# Altium PCB AIRZAI BASE BOARD REV C.PcbDoc (part 1 of 2) (continued)
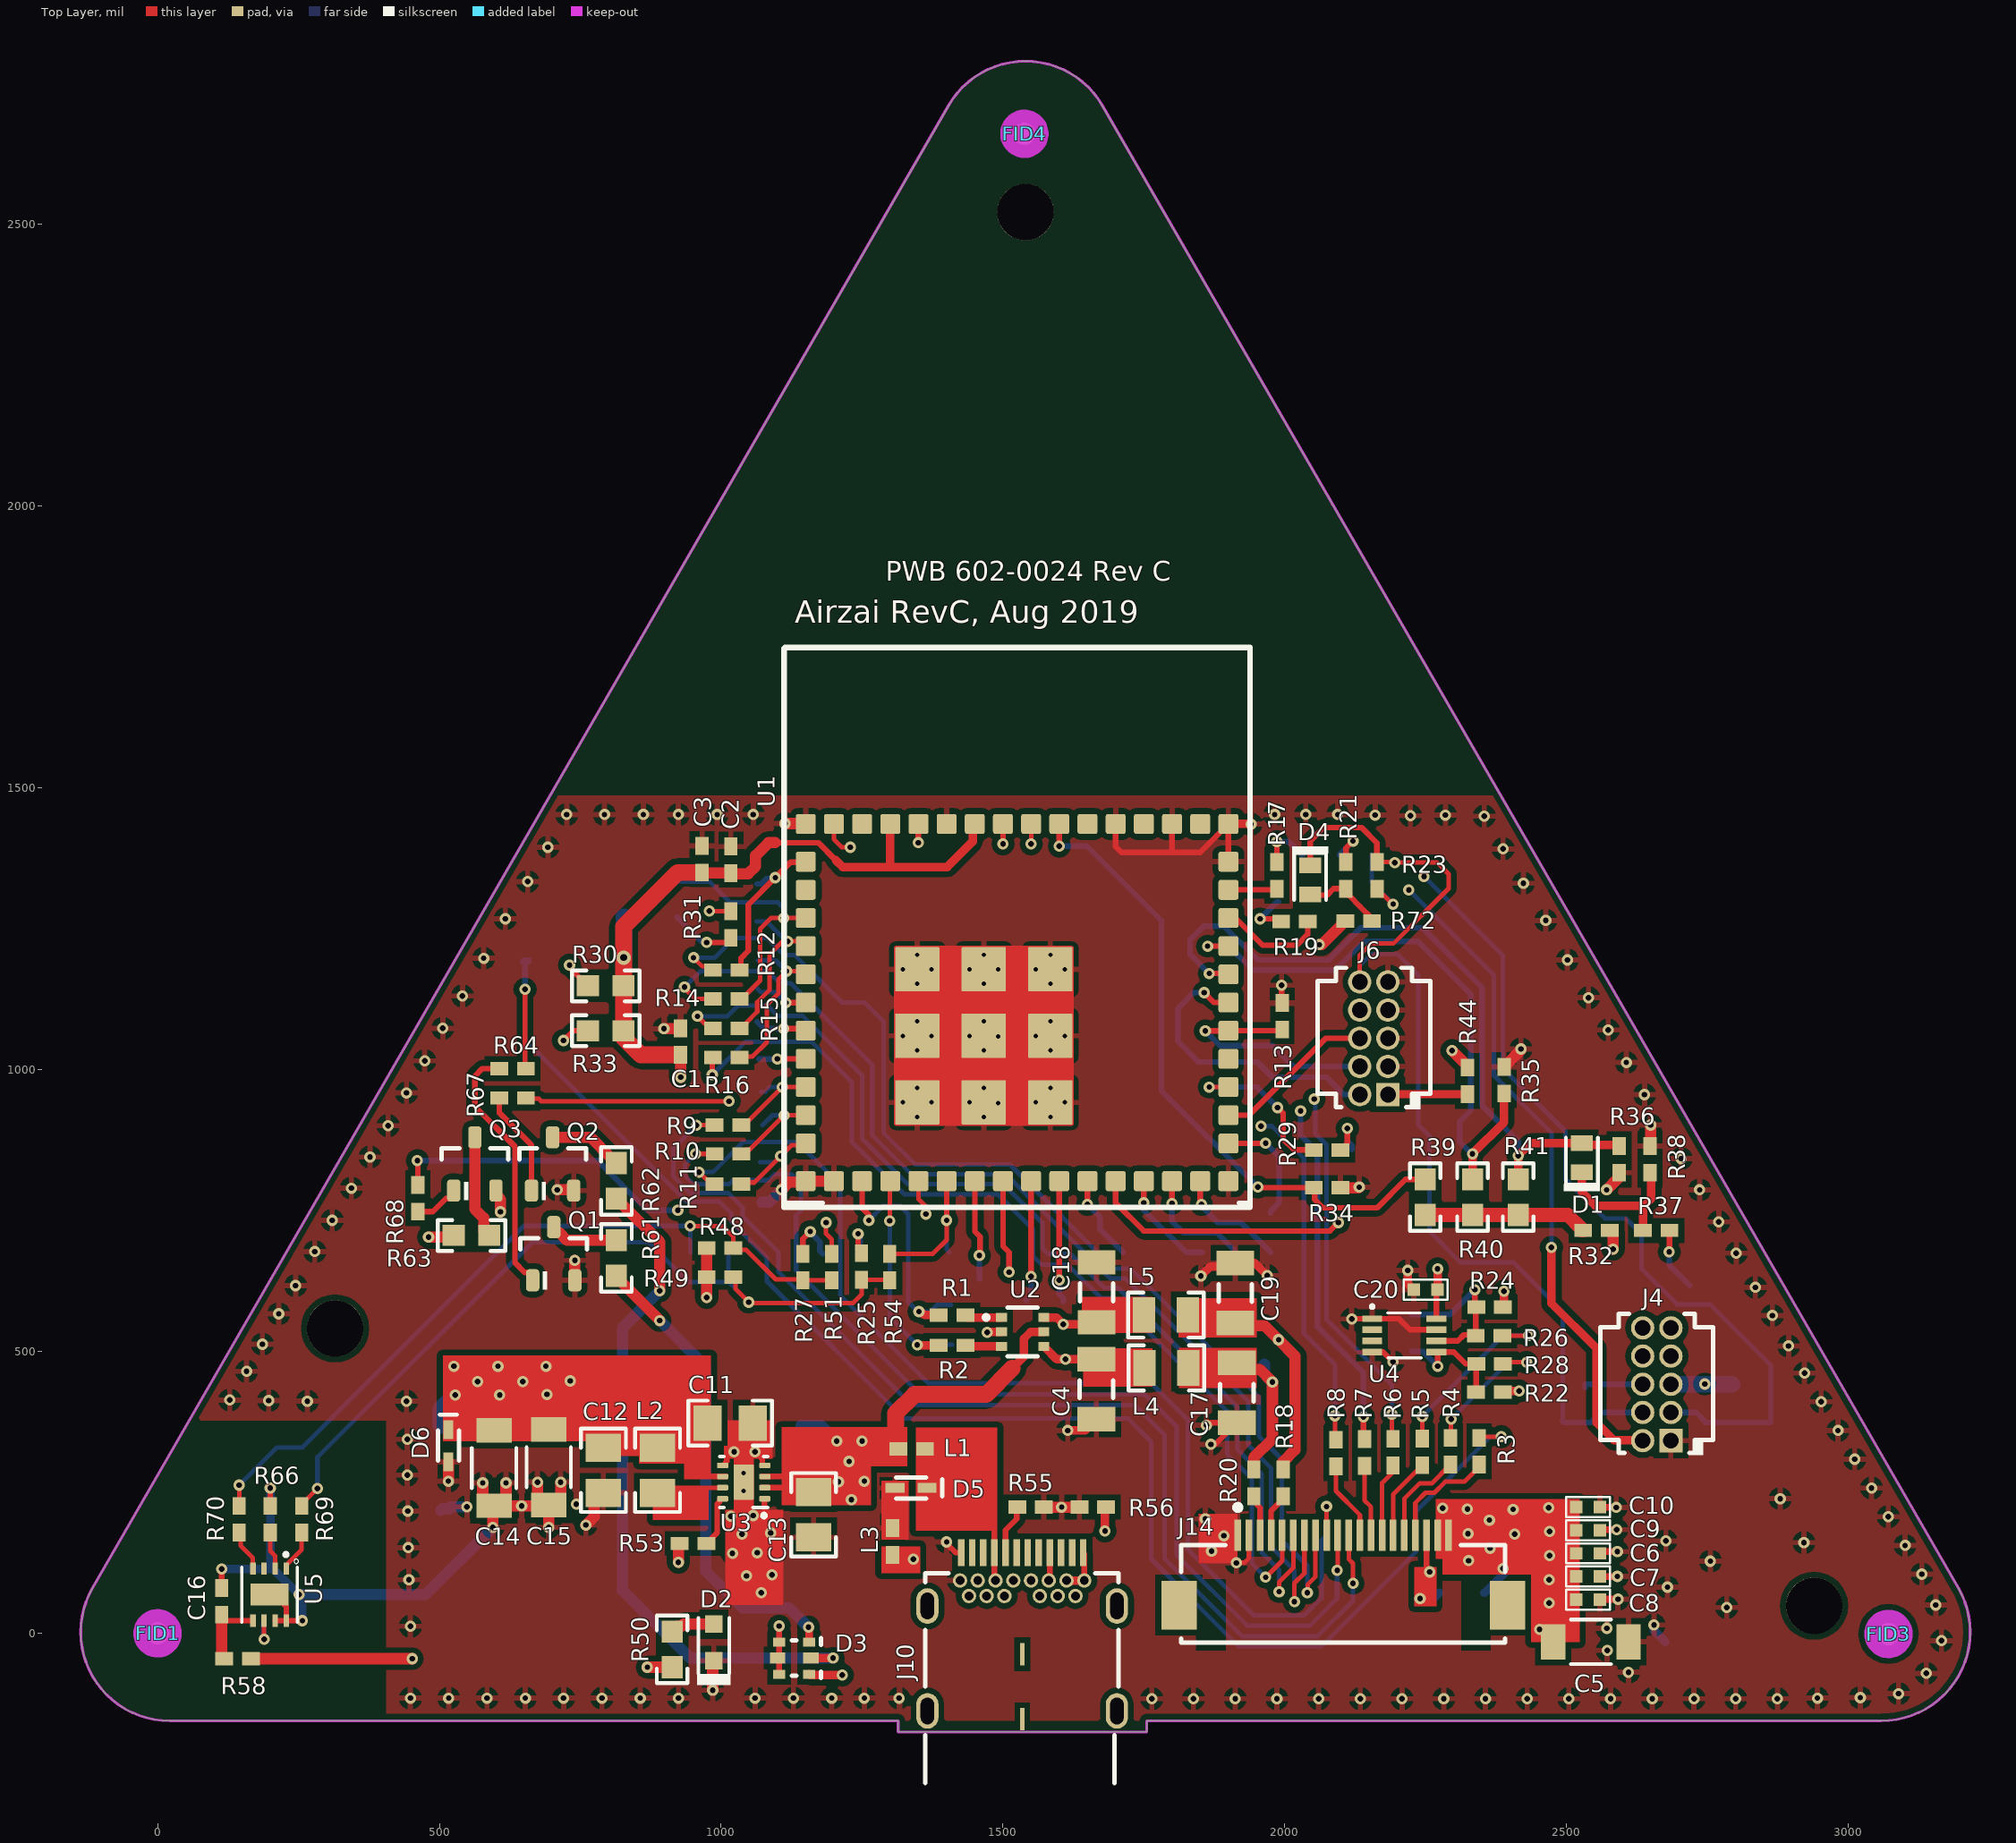
[diagram p0: Top Layer view]
## Part data (continued)
D6: "TVS DIODE 3.3V 8V SOD523", Capacitance=30pF, Clamping Voltage=8V, Leakage Current=500nA, Manufacturer=Semtech, Max Operating Temperature=125°C, Max Power Dissipation=40W, Min Breakdown Voltage=3.5V, Min Operating Temperature=-55°C, Operating Supply Voltage=3.3V, Peak Pulse Current=5A, Power Line Protection=No, Supplier Part Number 1=947-UCLAMP3301H.TCT, ComponentLink1Description=https://www.semtech.com/uploads/documents/uclamp3301h.pdf?src-supplier=Digi-Key, ComponentLink1URL=https://www.semtech.com/uploads/documents/uclamp3301h.pdf?src-supplier=Digi-Key, ComponentLink2Description=https://www.verical.com/server-webapp/html/getDatasheet?partID=141337&src-supplier=Verical, ComponentLink2URL=https://www.verical.com/server-webapp/html/getDatasheet?partID=141337&src-supplier=Verical, ComponentLink3Description=http://www.semtech.com/images/datasheet/uclamp3301h.pdf?src-supplier=Avnet, ComponentLink3URL=http://www.semtech.com/images/datasheet/uclamp3301h.pdf?src-supplier=Avnet, Composition=Zener, Depth=0.9mm, Direction=Unidirectional, Element Configuration=Single, Lead Free="Lead Free", Length=1.3mm, Manufacturer Part Number=UCLAMP3301H.TCT, Mount="Surface Mount", Number of Channels=1, Number of Elements=1, Number of Pins=2, Number of Unidirectional Channels=1, Packaging="Tape and Reel", PartNumber=UCLAMP3301H.TCT, Peak Pulse Power=40W, Polarity=Unidirectional, Pricing 1="1=0.71, 10=0.554, 50=0.554, 100=0.357, 1000=0.286, 10000=0.225 (USD)", Radiation Hardening=No, REACH SVHC="No SVHC", Reverse Standoff Voltage=3.3V, Stock 1=89004, Supplier 1=Mouser, Thickness=700um, Voltage Rating (DC)=3.3V, Width=900um, Working Voltage=3.3V
FID1 FID3 FID4: "Fiducial mark.  There is nothing to buy or mount.", Manufacturer=N/A, ClassName=FiducialMark, CompType=Fiducial, LatestRevisionDate=2016-05-09, LatestRevisionNote="Added Alternate PartNumber and Alternate Manufacturer parameters to appropriate components.", MountType=N/A, PackageReference=N/A, PartNumber=N/A, Publisher="Texas Instruments", SymbolCreator=codlsc, SymbolVersion=2009-11-4
J4 J6: "Header, 1.27 mm, 5x2, Gold, TH", Color=Black, Manufacturer=Samtec, Supplier Part Number 1=FTSH-105-01-F-D-K-ND, ComponentLink1Description="Datasheet URL", ComponentLink1URL=https://www.samtec.com/ftppub/cpdf/FTSH-1XX-XX-XXX-D-XX-MKT.pdf, CompType=Header, ContactFinish=Gold, Gender=Male, LatestRevisionDate=2016-07-01, MountType=TH, Orientation=Vertical, PackageReference="Header, 1.27 mm, 5x2, TH", PartNumber=FTSH-105-01-F-D-K, PinCount=10, Pitch_mm=1.27, Publisher="Texas Instruments", RoHS=Y, Row_Count=2, RowSpacing_mm=1.27, Shrouded=Y, Supplier 1=Digi-Key, SymbolCreator=a0412235, SymbolVersion=2013-12-22
J10: "USB 3.1 Type C Receptacle WR-COM, Horizontal, SMT / THT", Contact Resistance="30 mOhm", Operating Temperature="-40 to 105 degC", Rated Current="5 A", Working Voltage="20 VDC", ComponentLink1Description=Manufacturer, ComponentLink1URL=http://www.we-online.de, ComponentLink2Description=Datasheet, ComponentLink2URL=https://katalog.we-online.de/em/datasheet/632723x00011%282%29.pdf, Connector Type="USB 3.1 Type C", Gender=Receptacle, Mounting Technology="SMT / THT", Orientation=Horizontal, Packaging="Tape and Reel", Part Number=632723300011, Published Date="September 2018", Publisher="Wurth Elektronik"
J14: library part CMP-1241-00473-1, "0.5 mm Pitch Easy-On(TM) Type FPC Connector, 2.0 mm Mated Height, Right Angle, ZIF, SMT, Bottom Contact, 20 Circuits, -40 to 85 degC, ELV and RoHS Compliant, Tape and Reel", Current (Max per Contact)=0.5A, Manufacturer=Molex, Supplier Part Number 1=WM20340DKR-ND, Voltage (Max)=50V, Circuits (Loaded)=20, ComponentLink1Description="Manufacturer URL", ComponentLink1URL=http://www.molex.com/molex/index.jsp, ComponentLink2Description=Datasheet, ComponentLink2URL=http://www.molex.com/webdocs/datasheets/pdf/en-us/0528922033_FFC_FPC_CONNECTORS.pdf, ComponentLink3Description="Package Specification", ComponentLink3URL=http://www.molex.com/pdm_docs/sd/528922033_sd.pdf, Contact Position=Bottom, Durability (mating cycles max)=20, Entry Angle="90degrees Angle", Mated Height=2.00mm, Material - Metal="Phosphor Bronze", Material - Plating Mating="Silver, Tin-Bismuth", Material - Plating Termination="Silver, Tin-Bismuth", Mounting Technology="Surface Mount", Number of Rows=1, Orientation="Right Angle", PackageDescription="20-Lead FPC Connector, Pitch 0.5 mm", PackageReference=52892-2033, PackageVersion="Rev. A, 05/2013", Packing="Tape and Reel", PartNumber=52892-2033, PCB Locator=No, PCB Retention=Yes, Pitch - Mating Interface=0.50mm, Pitch - Termination Interface=0.50mm, Polarized to PCB=No, RoHS=TRUE, Stackable=No, Supplier 1=Digi-Key
L1 L3: "Ferrite Bead, 10 ohm @ 100 MHz, 1 A, 0402", Manufacturer=MuRata, Supplier Part Number 1=490-5176-1-ND, Value1="0.025 ohm", Value2=1A, ComponentLink1Description="Datasheet link", ComponentLink1URL=http://search.murata.co.jp/Ceramy/image/img/PDF/ENG/L0110S0100BLM15AG_SN.pdf, CompType="Ferrite Bead", DCR_ohm=0.025, Imax_A=1, LatestRevisionDate=2016-06-23, MountType=SMT, PackageReference=0402, PartNumber=BLM15AG100SN1D, Published=2014-04-30, Publisher="Texas Instruments", RoHS=Y, Supplier 1=Digi-Key, Supplier 2=Mouser, Supplier 3=Farnell, Supplier Part Number 2=81-BLM15AG100SN1D, Supplier Part Number 3=1515758, SymbolVersion=2009-06-02, ZTyp@100MHz_Ohm=10
L2: "Inductor, Wirewound, 2.2 µH, 1 A, 0.143 ohm, SMD", Manufacturer="Taiyo Yuden", Supplier Part Number 1=587-2905-1-ND, Value1="0.143 ohm", Value2=1A, ValueDisplayed=2.2µH, AEC Category=Q200, AEC Qualified=?, ComponentLink1Description="Datasheet link", ComponentLink1URL=http://www.yuden.co.jp/ut/product/category/inductor/BRC2012T2R2MD.pdf, CompType=Inductor, DCR_ohm=0.143, Imax_A=1, Ind_H=2.2E-6, Irms="1A @ 40C rise", Isat="1.1A @ 30% inductance drop", LatestRevisionDate=2016-06-28, Material=?, MountType=SMT, PackageReference=0805, PartNumber=BRC2012T2R2MD, Published=2008-06-26, Publisher="Texas Instruments", RoHS=Y, Supplier 1=Digi-Key, Supplier 2=Mouser, Supplier 3=Farnell, Supplier Part Number 2=963-BRC2012T2R2MD, Supplier Part Number 3=2369453, SymbolVersion=2008-07-23, Technology=Wirewound
L4 L5: "Fixed Ind 100uh 2ma 3.1 Ohm Smd", Package="0805 TDK", Availability=Unavailable, MF=TDK, MP=MLF2012C101KTD25, Price=None, SnapEDA_Link=https://www.snapeda.com/parts/MLF2012C101KTD25/TDK-Lambda%20Americas%20Inc/view-part/?ref=snap
Q1 Q2 Q3: "MOSFET, N-CH, 50 V, 0.22 A, SOT-23", Alternate Manufacturer=None, Manufacturer="Fairchild Semiconductor", Supplier Part Number 1=BSS138CT-ND, Value1="6 ohm", Value2="1.7 nC", AEC Category=Q101, AEC Qualified=?, ChType=N, ComponentLink1Description="Datasheet link", ComponentLink1URL=http://www.fairchildsemi.com/ds/BS/BSS138.pdf, CompType=MOSFET, IdsMax_A=0.22, LatestRevisionDate=2016-06-29, LatestRevisionNote="Added parts.", MountType=SMT, PackageReference=SOT-23, PartNumber=BSS138, Published=2008-06-19, Publisher="Texas Instruments", QgTyp_nC=1.7, Rdson45_ohm=6, RoHS=Y, SizeArea_mm2=7.5, SizeAreaWB_mm2=14, SizeX_mm=2.5, SizeY_mm=3, SizeZ_mm=1.1, Supplier 1=Digi-Key, Supplier 2=Mouser, Supplier 3=Farnell, Supplier Part Number 2=512-BSS138, Supplier Part Number 3=9845330, SymbolVersion=2008-07-28, U/M=EA, VdsMax_V=50, Vgs_V=20
R1 R2 R26 R28: "RES, 0, 5%, 0.063 W, 0402", Manufacturer=Panasonic, Package="0402 (1005 Metric)", Power_W=0.063, Supplier Part Number 1=P0.0JCT-ND, TempCo="600 ppm/C", Tolerance_%=5, Value1=5%, Value2=0.063W, Value_Code=0000, ValueDisplayed=0, AEC Category=Q200, AEC Qualified=?, ComponentLink1Description="Datasheet link", ComponentLink1URL=http://www.panasonic.com/industrial/components/pdf/AOA0000CE1.pdf, CompType=Resistor, Digi-Key_Part_Number=P0.0JCT-ND, Digi-Key_Purchase_URL=https://www.digikey.ca/products/en?keywords=P0.0JCT-ND, EIA_Code=E24, LatestRevisionDate=2016-07-01, MF="Panasonic Electronic Components", MountType=SMT, MP=ERJ-2GE0R00X, PackageReference=0402, PartNumber=ERJ-2GE0R00X, Published=2008-06-26, Publisher="Texas Instruments", Res_ohm=0, RoHS=Y, SizeArea_mm2=0.5, SizeX_mm=1, SizeY_mm=0.5, SizeZ_mm=0.6, Supplier 1=Digi-Key, Supplier 2=Mouser, Supplier 3=Farnell, Supplier Part Number 2=667-ERJ-2GE0R00X, Supplier Part Number 3=2059190, SymbolVersion=2009-05-29, Technology="Thick Film", U/M=EA, VDC_V=50
R3 R4 R5 R6 R7 R8 R9 R10 R11 R12 R14 R15 R16 R17 R18 R19 R20 R21 R23 R25 R27 R29 R31 R51 R54 R58 R64 R66 R67 R68 R69 R70: "RES, 0, 5%, 0.063 W, 0402", Manufacturer=Panasonic, Power_W=0.063, Supplier Part Number 1=P0.0JCT-ND, TempCo="600 ppm/C", Tolerance_%=5, Value1=5%, Value2=0.063W, Value_Code=0000, ValueDisplayed=0, AEC Category=Q200, AEC Qualified=?, ComponentLink1Description="Datasheet link", ComponentLink1URL=http://www.panasonic.com/industrial/components/pdf/AOA0000CE1.pdf, CompType=Resistor, EIA_Code=E24, LatestRevisionDate=2016-07-01, MountType=SMT, PackageReference=0402, PartNumber=ERJ-2GE0R00X, Published=2008-06-26, Publisher="Texas Instruments", Res_ohm=0, RoHS=Y, SizeArea_mm2=0.5, SizeX_mm=1, SizeY_mm=0.5, SizeZ_mm=0.6, Supplier 1=Digi-Key, Supplier 2=Mouser, Supplier 3=Farnell, Supplier Part Number 2=667-ERJ-2GE0R00X, Supplier Part Number 3=2059190, SymbolVersion=2009-05-29, Technology="Thick Film", U/M=EA, VDC_V=50
R13 R34 R35 R36 R53 R72: "RES, 100 k, 5%, 0.063 W, 0402", Manufacturer=Vishay-Dale, Power_W=0.063, Supplier Part Number 1=541-100KJCT-ND, TempCo="200 ppm/C", Tolerance_%=5, Value1=5%, Value2=0.063W, Value_Code=100k, AEC Category=Q200, AEC Qualified=?, ComponentLink1Description="Datasheet link", ComponentLink1URL=http://www.vishay.com/docs/20035/dcrcwe3.pdf, CompType=Resistor, EIA_Code=E24, LatestRevisionDate=2016-07-01, MountType=SMT, PackageReference=0402, PartNumber=CRCW0402100KJNED, Published=2008-06-26, Publisher="Texas Instruments", Res_ohm=100000, RoHS=Y, SizeArea_mm2=0.5, SizeX_mm=1, SizeY_mm=0.5, SizeZ_mm=0.6, Supplier 1=Digi-Key, Supplier 2=Mouser, Supplier 3=Farnell, Supplier Part Number 2=71-CRCW0402J-100K-E3, Supplier Part Number 3=1652738, SymbolVersion=2009-05-29, Technology="Thick Film", U/M=EA, ValueDisplayed=100k, VDC_V=50
R22 R24: library part RES-2, "Chip Resistor, 4.7 KOhm, +/- 5%, 0.063 W, -55 to 155 degC, 0402 (1005 Metric), RoHS, Tape and Reel", Manufacturer=Stackpole-Electronics-Inc., Operating Temperature=-55°C~155°C, Package / Case=0402(1005Metric), Package Description="2-Pin Surface Mount Device, Body 1 x 0.5 mm", Package Reference=0402, Power (Watts)=0.063W,1/16W, Resistance (Ohms)=4.7k, Supplier Part Number 1=RMCF0402JT4K70-ND, Temperature Coefficient=±100ppm/°C, Tolerance=±5%, Category=Resistors, Composition=ThickFilm, Datasheet URL=https://www.seielect.com/Catalog/SEI-RMCF_RMCP.pdf, Datasheet Version=01/2017, Family=ChipResistor-SurfaceMount, Features=AutomotiveAEC-Q200, Manufacturer Part.No=RMCF0402JT4K70, Manufacturer URL=https://www.seielect.com/, Mounting Technology=SurfaceMount, Number of Terminations=2, Packaging=Digi-Reel®, Series=RMCF, Supplier 1=Digi-Key, Supplier Device Package=0402
R30 R33 R39 R40 R41: library part ERJ-2GE0R00X, "RES, 0, 5%, 0.1 W, 0603", Case/Package=0603, Case Code (Metric)=1608, Manufacturer=Yageo, Max Operating Temperature=155°C, Min Operating Temperature=-55°C, Package Quantity=5000, Power Rating=100mW, Resistance=0mR, Supplier Part Number 1=311-0.0GRDKR-ND, Temperature Coefficient=200ppm/°C, Tolerance=1%, Value1=5%, Value2=0.1W, Value_Code=0000, ValueDisplayed=0, Voltage Rating=50V, Case Code (Imperial)=0603, ComponentLink1Description="Datasheet link", ComponentLink1URL=http://www.panasonic.com/industrial/components/pdf/AOA0000CE1.pdf, ComponentLink2Description=http://www.farnell.com/datasheets/1868787.pdf?src-supplier=Element14, ComponentLink2URL=http://www.farnell.com/datasheets/1868787.pdf?src-supplier=Element14, ComponentLink3Description=https://www.verical.com/server-webapp/html/getDatasheet?partID=329462&src-supplier=Verical, ComponentLink3URL=https://www.verical.com/server-webapp/html/getDatasheet?partID=329462&src-supplier=Verical, ComponentLink4Description=http://www.yageo.com/documents/recent/PYu-RC_Group_51_RoHS_L_9.pdf?src-supplier=Mouser, ComponentLink4URL=http://www.yageo.com/documents/recent/PYu-RC_Group_51_RoHS_L_9.pdf?src-supplier=Mouser, ComponentLink5Description=http://www.farnell.com/datasheets/443971.pdf?src-supplier=Element14, ComponentLink5URL=http://www.farnell.com/datasheets/443971.pdf?src-supplier=Element14, ComponentLink6Description=http://documents.rs-components.com/techlib://itc_doclist_GB.htm?stockno=6515918&src-supplier=RSComponents, ComponentLink6URL=http://documents.rs-components.com/techlib://itc_doclist_GB.htm?stockno=6515918&src-supplier=RSComponents, Composition="Thick Film", Contact Plating=Tin,Matte, Depth=0.8mm, Height=0.45mm, Lead Free="Lead Free", Length=1.6mm, Manufacturer Part Number=RC0603JR-070RL, Military Standard=Not, Number of Pins=2, Packaging="Tape and Reel", PartNumber=RC0603JR-070RL, Pricing 1="1=0.1, 10=0.021, 25=0.0152, 50=0.0114, 100=0.0084, 250=0.00644, 500=0.00514, 1000=0.00379 (USD)", Radiation Hardening=No, REACH SVHC="No SVHC", Stock 1=47590704, Supplier 1=Digi-Key, Termination=SMD/SMT, VDC_V=50, Voltage Rating (DC)=50V, Width=0.8mm
R32: "RES, 270, 5%, 0.063 W, 0402", Manufacturer=Vishay-Dale, Power_W=0.063, Supplier Part Number 1=541-270JCT-ND, TempCo="200 ppm/C", Tolerance_%=5, Value1=5%, Value2=0.063W, Value_Code=270R, ValueDisplayed=270, AEC Category=Q200, AEC Qualified=?, ComponentLink1Description="Datasheet link", ComponentLink1URL=http://www.vishay.com/docs/20035/dcrcwe3.pdf, CompType=Resistor, EIA_Code=E24, LatestRevisionDate=2016-07-01, MountType=SMT, PackageReference=0402, PartNumber=CRCW0402270RJNED, Published=2008-06-26, Publisher="Texas Instruments", Res_ohm=270, RoHS=Y, SizeArea_mm2=0.5, SizeX_mm=1, SizeY_mm=0.5, SizeZ_mm=0.6, Supplier 1=Digi-Key, Supplier 2=Mouser, Supplier 3=Farnell, Supplier Part Number 2=71-CRCW0402J-270-E3, Supplier Part Number 3=1514691, SymbolVersion=2009-05-29, Technology="Thick Film", U/M=EA, VDC_V=50
R37: "RES, 2.2 k, 5%, 0.063 W, 0402", Manufacturer=Vishay-Dale, Power_W=0.063, Supplier Part Number 1=541-2.2KJCT-ND, TempCo="200 ppm/C", Tolerance_%=5, Value1=5%, Value2=0.063W, Value_Code=2k20, ValueDisplayed=2.2k, AEC Category=Q200, AEC Qualified=?, ComponentLink1Description="Datasheet link", ComponentLink1URL=http://www.vishay.com/docs/20035/dcrcwe3.pdf, CompType=Resistor, EIA_Code=E24, LatestRevisionDate=2016-07-01, MountType=SMT, PackageReference=0402, PartNumber=CRCW04022K20JNED, Published=2008-06-26, Publisher="Texas Instruments", Res_ohm=2200, RoHS=Y, SizeArea_mm2=0.5, SizeX_mm=1, SizeY_mm=0.5, SizeZ_mm=0.6, Supplier 1=Digi-Key, Supplier 2=Mouser, Supplier 3=Farnell, Supplier Part Number 2=71-CRCW0402J-2.2K-E3, Supplier Part Number 3=1514678, SymbolVersion=2009-05-29, Technology="Thick Film", U/M=EA, VDC_V=50
R38: "RES, 10 k, 5%, 0.063 W, 0402", Manufacturer=Vishay-Dale, Power_W=0.063, Supplier Part Number 1=541-10KJCT-ND, TempCo="200 ppm/C", Tolerance_%=5, Value1=5%, Value2=0.063W, Value_Code=10k0, ValueDisplayed=10k, AEC Category=Q200, AEC Qualified=?, ComponentLink1Description="Datasheet link", ComponentLink1URL=http://www.vishay.com/docs/20035/dcrcwe3.pdf, CompType=Resistor, EIA_Code=E24, LatestRevisionDate=2016-07-01, MountType=SMT, PackageReference=0402, PartNumber=CRCW040210K0JNED, Published=2008-06-26, Publisher="Texas Instruments", Res_ohm=10000, RoHS=Y, SizeArea_mm2=0.5, SizeX_mm=1, SizeY_mm=0.5, SizeZ_mm=0.6, Supplier 1=Digi-Key, Supplier 2=Mouser, Supplier 3=Farnell, Supplier Part Number 2=71-CRCW0402J-10K-E3, Supplier Part Number 3=1514663, SymbolVersion=2009-05-29, Technology="Thick Film", U/M=EA, VDC_V=50
R44: "RES, 1.0 k, 5%, 0.063 W, 0402", Manufacturer=Vishay-Dale, Power_W=0.063, Supplier Part Number 1=541-1.0KJCT-ND, TempCo="200 ppm/C", Tolerance_%=5, Value1=5%, Value2=0.063W, Value_Code=1k00, ValueDisplayed=1.0k, AEC Category=Q200, AEC Qualified=?, ComponentLink1Description="Datasheet link", ComponentLink1URL=http://www.vishay.com/docs/20035/dcrcwe3.pdf, CompType=Resistor, EIA_Code=E24, LatestRevisionDate=2016-07-01, MountType=SMT, PackageReference=0402, PartNumber=CRCW04021K00JNED, Published=2008-06-26, Publisher="Texas Instruments", Res_ohm=1000, RoHS=Y, SizeArea_mm2=0.5, SizeX_mm=1, SizeY_mm=0.5, SizeZ_mm=0.6, Supplier 1=Digi-Key, Supplier 2=Mouser, Supplier 3=Farnell, Supplier Part Number 2=71-CRCW0402J-1.0K-E3, Supplier Part Number 3=1514656, SymbolVersion=2009-05-29, Technology="Thick Film", U/M=EA, VDC_V=50
R48 R49: library part CRCW04023K30JNED, "RES SMD 4.7K OHM 1% 1/16W 0402", Case/Package=0402, Case Code (Metric)=1005, Manufacturer=Yageo, Manufacturer Part Number=RC0402FR-074K7L, Max Operating Temperature=155°C, Min Operating Temperature=-55°C, Power Rating=62.5mW, Resistance=4.7kR, Supplier Part Number 1=311-4.7KLRDKR-ND, Temperature Coefficient=100ppm/°C, Tolerance=1%, Voltage Rating=50V, Case Code (Imperial)=0402, ComponentLink1Description="Datasheet link", ComponentLink1URL=http://www.vishay.com/docs/20035/dcrcwe3.pdf, ComponentLink2Description=http://documents.rs-components.com/techlib://itc_doclist_GB.htm?stockno=6184558&src-supplier=RSComponents, ComponentLink2URL=http://documents.rs-components.com/techlib://itc_doclist_GB.htm?stockno=6184558&src-supplier=RSComponents, ComponentLink3Description=http://www.farnell.com/datasheets/1018594.pdf?src-supplier=Element14, ComponentLink3URL=http://www.farnell.com/datasheets/1018594.pdf?src-supplier=Element14, ComponentLink4Description=https://www.verical.com/server-webapp/html/getDatasheet?partID=328119&src-supplier=Verical, ComponentLink4URL=https://www.verical.com/server-webapp/html/getDatasheet?partID=328119&src-supplier=Verical, ComponentLink5Description=http://www.farnell.com/datasheets/1686128.pdf?src-supplier=Element14, ComponentLink5URL=http://www.farnell.com/datasheets/1686128.pdf?src-supplier=Element14, Composition="Thick Film", Depth=0.5mm, Height=0.32mm, Lead Free="Lead Free", Length=1mm, Military Standard=Not, Number of Pins=2, Packaging="Tape and Reel", Pricing 1="1=0.1, 10=0.016, 100=0.0067, 1000=0.00301, 2500=0.00261, 5000=0.00215 (USD)", REACH SVHC="No SVHC", Stock 1=27955304, Supplier 1=Digi-Key, Termination=SMD/SMT, Voltage Rating (DC)=50V, Width=0.5mm
R50 R61 R62 R63: "RES, 750, 5%, 0.1 W, 0603", Manufacturer="Yageo America", Power_W=0.1, Supplier Part Number 1=311-750GRCT-ND, TempCo="100 ppm/C", Tolerance_%=5, Value1=5%, Value2=0.1W, Value_Code=750R, ValueDisplayed=750, AEC Category=Q200, AEC Qualified=?, ComponentLink1Description="Datasheet link", ComponentLink1URL=http://www.yageo.com/pdf/Pu-RC0603_51_PbFree_L_2.pdf, CompType=Resistor, EIA_Code=E24, LatestRevisionDate=2016-11-02, MountType=SMT, PackageReference=0603, PartNumber=RC0603JR-07750RL, Published=2008-06-26, Publisher="Texas Instruments", Res_ohm=750, RoHS=Y, SizeArea_mm2=1.28, SizeX_mm=1.6, SizeY_mm=0.8, SizeZ_mm=1, Supplier 1=Digi-Key, Supplier 2=Mouser, Supplier 3=Farnell, Supplier Part Number 2=603-RC0603JR-07750RL, Supplier Part Number 3=1799450, SymbolVersion=2009-05-29, Technology="Thick Film", U/M=EA, VDC_V=50
R55 R56: "RES, 10 k, 5%, 0.063 W, 0402", Manufacturer=Vishay-Dale, Power_W=0.063, Supplier Part Number 1=541-10KJCT-ND, TempCo="200 ppm/C", Tolerance_%=5, Value1=5%, Value2=0.063W, Value_Code=10k0, ValueDisplayed=5.1k, AEC Category=Q200, AEC Qualified=?, ComponentLink1Description="Datasheet link", ComponentLink1URL=http://www.vishay.com/docs/20035/dcrcwe3.pdf, CompType=Resistor, EIA_Code=E24, LatestRevisionDate=2016-07-01, MountType=SMT, PackageReference=0402, PartNumber=CRCW040210K0JNED, Published=2008-06-26, Publisher="Texas Instruments", Res_ohm=10000, RoHS=Y, SizeArea_mm2=0.5, SizeX_mm=1, SizeY_mm=0.5, SizeZ_mm=0.6, Supplier 1=Digi-Key, Supplier 2=Mouser, Supplier 3=Farnell, Supplier Part Number 2=71-CRCW0402J-10K-E3, Supplier Part Number 3=1514663, SymbolVersion=2009-05-29, Technology="Thick Film", U/M=EA, VDC_V=50
U1: "SimpleLink Wi-Fi and Internet-of-Things Module Solution, a Single-Chip Wireless MCU, MON0063A (QFM-63)", Alternate Manufacturer="Texas Instruments", Alternate PartNumber=XCC3220MODASF12MONR, ComponentLink1Description="Datasheet Link", ComponentLink1URL=https://sps06.itg.ti.com/sites/KMS/crossdivteams/altium/docs/ComponentDatasheets/t77h533-20_ANT%20module%20dimension_2016-0910.pdf, CompType=IC, LatestRevisionDate=2017-05-12, Manufacturer="Texas Instruments", MountType=SMT, PackageDescription=QFM-63, PackageReference=MON0063A, PartNumber=CC3220MODASF12MONR, Publisher="Texas Instruments", SizeArea_mm2=522.75, SizeAreaWB_mm2=618.75, SizeX_mm=25.5, SizeY_mm=20.5, SizeZ_mm=2.45, SymbolCreator=Altium, SymbolVersion=2017-05-11, U/M=EA
U2: "NC7WZ17 Series 5.5 V TinyLogic UHS Dual Buffer w/ Schmitt Trigger Inputs-SC-70-6", Package="SC-70-6 ON Semiconductor", Availability=Unavailable, MF="ON Semiconductor", MP=NC7WZ17P6X, Price=None, SnapEDA_Link=https://www.snapeda.com/parts/NC7WZ17P6X/ON%20Semiconductor/view-part/?ref=snap
U3: "Buck Step Down Regulator with 3 to 17 V Input and 3.3 V Output, -40 to 85 degC, 8-Pin WSON (DSG), Green (RoHS & no Sb/Br)", Alternate Manufacturer="Texas Instruments", Alternate PartNumber=Equivalent, Rating=Catalog, Supplier Part Number 1=TPS62162DSGR-ND, Switch Current Limit(Typ)(A)=1.8, Code_JEDEC=MO-229, ComponentLink1Description=Datasheet, ComponentLink1URL=http://www.ti.com/general/docs/lit/getliterature.tsp?genericPartNumber=TPS62162&fileType=pdf, ComponentLink2Description="URL Link1", ComponentLink2URL="Samples URL:http://www.ti.com/product/tps62162#samples", DatasheetVersion=SLVSAM2A, Duty Cycle(Max)(%)=100, Eco-Plan="Green (RoHS & no Sb/Br)", Iout(Max)(A)=1, Iq(Typ)(mA)=0.017, Manufacturer="Texas Instruments", MountType=SMT, PackageDescription="8-Pin Plastic Small Outline No-Lead, 2 x 2 x 0.8 mm Body, 0.5 mm Pitch, Exposed Pad", PackageReference=DSG0008A, PackageVersion="revB, Oct-2010", PartNumber=TPS62162DSGR, Preset Vout(V)=3.3, Regulated Outputs(#)=1, SubFamily="Step-Down Regulator", Supplier 1=Digi-Key, Supplier 2=Newark, Supplier 3=Mouser, Supplier Part Number 2=74T5557, Supplier Part Number 3=595-TPS62162DSGR, Synchronous Rectification=TRUE, Topology=Buck, Vin(Max)(V)=17, Vin(Min)(V)=3, Vout(Max)(V)=3.3, Vout(Min)(V)=3.3
U4: "Auth 3.0 CP", Package=8-XDFN, MF=Apple, MP=MFI343S00177, Supplier=Avnet
U5: "SHT3x Series 5.5 V ±3 %RH 0 to 100% Temperature and Humidity Sensor - DFN-8", Package="DFN-8 Sensirion", Supplier Part Number 1=1649-1009-6-ND, Availability=Unavailable, MF="Sensirion AG", MP=SHT30-DIS-B, Price=None, SnapEDA_Link=https://www.snapeda.com/parts/SHT30-DIS-B/Sensirion%20AG/view-part/?ref=snap, Supplier 1=Digi-Key

## Free pads (board coordinates)
  round 100 hole 100: 1(315,541) 1(1539.85,2522) 1(2939,49)

## Via types
v1: diameter 20, hole 10, Top Layer to Bottom Layer, tented both sides, 317 vias
v2: diameter 19.68, hole 7.87, Top Layer to Bottom Layer, tented both sides, 38 vias
v3: diameter 25, hole 12, Top Layer to Bottom Layer, tented both sides, 1 vias

## Nets (pads, with @x,y where several pads share a name; then routed paths per layer and width w, separated by ;. In a path a pad name is that pad's centre, name@x,y a point inside that pad or via, vN(x,y) a via of type N, cw(c..) or ccw(c..) an arc to the next point about the centre after c; other vN are vias at no path point)
"Accel INT": R6.2 TP18.1 U1.49 | length 1801.4
  Top Layer w8: v1(2190,389) 2190,347.24 R6.2@2192,345.24
  Top Layer w10: v1(1115,1119) 1149.65,1119 U1.49@1150.04,1119.39
  MidLayer2 w8: v1(1115,1119) 1275,1119 1284.5,1128.5 1795.5,1128.5 1811,1113 1933,1113 2052,994 v1(2052,948)
  Bottom Layer w8: TP18.1@1063,1145 1070,1138 1096,1138 v1(1115,1119) ; v1(2052,948) 2054,946 2054,887 2074,867 2074,557 2190,441 v1(2190,389)
ADC_CH0: J4.2 R15.2 TP32.1 U1.47 | length 2618.6
  Top Layer w8: R15.2@1032.62,1073.62 1036.56,1073.62 1044.37,1081.43 1044.37,1083.37 1064,1103 1064,1120 1086,1142 1086,1205 1108.91,1227.91 v1(1118,1227.91) 1141.51,1227.91 U1.47@1150.04,1219.39
  Top Layer w15: v1(2473,685) 2473,585.74 2553,505.74 2553,373.65 2584,342.65 2634.35,342.65 J4.2@2635,342
  MidLayer2 w8: v1(1118,1227.91) 1237.15,1227.91 1282.24,1273 1893,1273 1939,1319 v1(2220,1319)
  Bottom Layer w8: TP32.1@1063,1263 1081,1263 v1@1116.09,1227.91 ; v1(2220,1319) 2371,1168 2371,990 2473,888 v1(2473,685)
ADC_CH1: R16.2 TP33.1 U1.48 | length 309
  Top Layer w8: R16.2@1032.62,1022 1034.31,1023.68 1055.68,1023.68 1081,1049 1081,1115.05 1102,1136.05 1102,1161 v1(1116,1175) 1144.43,1175 U1.48@1150.04,1169.39 U1.48@1140.33,1159.68
  Bottom Layer w8: TP33.1@1065,1194 1097,1194 v1(1116,1175)
CC: J10.B5 R56.1 | length 312.6
  Top Layer w15: R56.1@1678.88,224 1680.99,221.89 v1@1680.99,181
  MidLayer2 w10: J10.B5@1565.5,66.26 1565.5,44.87 1576.64,33.72 1647.16,33.72 1658,44.57 1658,69.57 1679,90.57 v1@1679,181.57
  other v1: 1680.99,181.57
CC_nRESET: D4.1 J4.4 J6.10 R23.2 TP43.1 U1.35 | length 2588.2
  Top Layer w8: v1(1550,1401) U1.35@1550,1436.32 ; J6.10@2133,1156 2133,1204 2153,1224 2192.67,1224 2290.67,1322 2290.67,1347.33 2270.38,1367.62 v1(2195,1367.62) ; R23.2@2164,1368.62 2194,1368.62 v1(2195,1367.62) ; v1@2196,1366.62 v1(2195,1367.62)
  Top Layer w10: D4.1@2045,1362.59 2045,1406 2069,1430 2136,1430 2163.49,1402.51 2163.49,1369.13 R23.2@2164,1368.62
  MidLayer2 w8: v1(1550,1401) 1583.38,1367.62 v1(2195,1367.62)
  Bottom Layer w8: J6.10@2133,1156 2133,1185 2153,1205 2200.44,1205 2237,1168.44 2237,902 2257,882 2257,713 2312,658 2406,658 2493,571 TP43.1@2493,376.6
  Bottom Layer w10: TP43.1@2493,376.6 2495.6,374 2543,374 2561,392 J4.4@2635,392
EN: R3.2 R31.2 R64.1 TP12.1 U1.42 | length 3740
  Top Layer w8: v1(652,1143) 652,1003.62 R64.1@653.62,1002 ; v1(979.19,1281.76) 979.57,1281.38 R31.2@1017.19,1281.38 ; U1.42@1200,1436.32 1200,1409 1214,1395 v1(1229,1395) ; R3.2@2345,346.62 2347.38,349 v1(2384,349)
  Top Layer w10: U1.42@1200,1436.32 U1.42@1203.32,1433
  MidLayer2 w8: v1(652,1143) 652,1239 715,1302 958.95,1302 v1(979.19,1281.76) ; v1@979.57,1281 1009,1281 1023,1295 1023,1318 1072.62,1367.62 1135.45,1367.62 1162.83,1395 v1(1229,1395)
  Bottom Layer w8: v1(652,1143) 652,1052.79 938.79,766 997,766 1018,745 1018,730 1081,667 1081,625 1325,381 1722,381 1763,340 1763,132 1918,-23 2065,-23 2233,145 2233,217 2365,349 v1(2384,349)
  Bottom Layer w10: TP12.1@647.52,1192 TP12.1@658.88,1192 ; v1(652,1143) TP12.1@652,1191 ; TP12.1@652,1195 TP12.1@658.88,1195
GND: C1.2 C2.2 C3.2 C4.2 C5.2 C6.2 C7.2 C8.2 C9.2 C10.2 C11.2 C12.2 C13.2 C14.2 C15.2 C16.2 C17.2 C18.2 C19.2 C20.2 D2.1 D5.A D6.A J4.1 J6.3 J6.5 J6.7 J6.9 J10.A1 J10.B12 J14.1 J14.2 L3.2 Q1.2 Q2.2 Q3.2 R13.2 R34.1 R35.2 R36.2 R38.2 R55.2 R56.2 R66.1 TP38.1 TP39.1 TP40.1 TP41.1 TP42.1 TP45.1 TP57.1 U1.1 U1.2 U1.16 U1.27 U1.28 U1.30 U1.32 U1.38 U1.43 U1.55@1347.83,942.22 U1.56@1465.94,942.22 U1.57@1584.06,942.22 U1.58@1347.83,1060.33 U1.59@1465.94,1060.33 U1.60@1584.06,1060.33 U1.61@1347.83,1178.44 U1.62@1465.94,1178.44 U1.63@1584.06,1178.44 U2.2 U3.1 U3.4 U3.5 U3.9 U4.1 U4.4 U4.7 U5.7 U5.8 U5.9 | length 3576.4
  Top Layer w8: v1(1914,125) 1914.56,125.56 1928.56,125.56 1936.34,133.34 J14.2@1936.34,174.23 ; C10.2@2559,224 C10.2@2559.56,223.44
  Top Layer w10: C16.2@113.82,80.51 v1(113.82,114) ; R66.1@199.82,226.13 v1(200,257.81) ; U5.7@208.67,22.53 U5.8@228.35,22.53 ; U5.9@215,61.15 228.35,47.8 U5.8@228.35,22.53 ; v1(257,22.54) U5.8@228.35,22.53 ; U3.5@1002.6,297.93 1007.36,297.93 1007.44,298.01 1007.44,302.77 1010,305.33 1010,314.46 1017.54,322 v1(1023,322) ; v1(1057,209) 1071.14,209 1076.67,214.52 1076.67,238.79 1076.74,238.87 U3.1@1077.4,238.87 ; v1(1060,322) 1064.46,322 1072,314.46 1072,310 1073.25,308.75 1073.25,298.01 1073.33,297.93 U3.4@1077.4,297.93 ; U1.43@1149.36,1437 U1.43@1150.04,1436.32 ; v1(1400,162.26) 1400,159.49 1416.46,143.03 J10.A1@1425.73,143.03 ; U1.32@1700,1436.32 1700,1396 1710,1386 1800,1386 ; U1.30@1800,1436.32 1800,1386 ; v1(1859,203) 1904,203 1916.65,190.35 J14.1@1916.65,174.23 ; v1@1865.64,373.85 C17.2@1915,373.85 1876.53,335.38 v1(1869,335.38) ; U1.27@1899.96,1369.39 U1.28@1899.96,1424.14 ; U1.28@1899.96,1436.32 1879.72,1416.07 1879.72,1415.91 1870.4,1406.6 1870.24,1406.6 1849.64,1386 1800,1386 ; v1@1939.68,1436.32 v1(1940,1436) ; R13.2@1994.39,1120.62 v1(1994.39,1150) ; v1@2119.09,558.34 U4.1@2154.94,558.34 2202.19,558.34 2221.87,538.65 U4.7@2269.12,538.65 ; U4.4@2154.94,499.28 2174.61,499.28 v1(2191.89,482)
  Top Layer w12: v1(1023,322) v1(1060,322) ; C8.2@2559,60 2559.56,60.56 v1(2591,60.56) ; C7.2@2559,101 v1(2590,101) ; C6.2@2559,142 2562,145 v1(2590,145) ; C9.2@2559,183 2560,184 v1(2589,184) ; C10.2@2559.56,223.44 v1(2588,223.44)
  Top Layer w15: v1(1472.2,534) 1473.2,535 U2.2@1497.6,535 ; v1(1615,360) 1645.64,360 C4.2@1665.64,380 ; v1(1851,634) 1868,651 1905.85,651 C19.2@1912,657.15 1946.85,657.15 v1(1969,635) ; U1.28@1899.96,1436.32 v1@1939.68,1436.32 ; v1(2218,644) 2218,620.84 C20.2@2229.03,609.81
  Top Layer w20: v1(516.01,270) D6.A@516,304.46 ; v1(577,267) 577,238.13 588.65,226.47 C14.2@597,226.47 ; v1(595,188) 595,224.47 C14.2@597,226.47 ; Q3.2@600.4,785.76 600.4,777.88 608.37,769.92 v1(608.37,748) ; v1(618.19,267) 618.19,238.13 606.53,226.47 C14.2@597,226.47 ; v1(674,268.38) 674,239.5 C15.2@685.65,227.85 ; v1(694,188) 694,219.5 C15.2@685.65,227.85 ; v1(709,787) 737.16,787 Q2.2@738.4,785.76 ; v1(715.19,268.38) 715.19,239.5 703.53,227.85 C15.2@694,227.85 C15.2@685.65,227.85 ; Q1.2@740.4,626.38 v1(740.4,662) ; v1(760.06,192.25) 774.64,206.84 774.64,234.4 789.64,249.4 C12.2@791,249.4 ; v1(898.47,1073) 927.38,1073 C1.2@928,1073.62 ; v1(985,-101) 985,-50.48 D2.1@987,-48.48 ; v1(1107,787) 1120.96,800.96 1148.54,800.96 U1.1@1150.04,802.46 U1.2@1200,802.46 ; v1(1113,1437) U1.43@1149.36,1437 ; R55.2@1572.62,224 R56.2@1629.65,224 ; R34.1@2098.62,790.79 2131,790.79 v1(2132,791.79) ; R35.2@2388.96,1005.28 2388.96,1009.21 2390.77,1011.02 2394.71,1011.02 2419,1035.32 v1(2419,1037) ; v1(2571,787) 2591.19,807.19 2591.19,815.57 R36.2@2593,817.38 ; R38.2@2648,864.62 2649,865.62 v1(2649,902) ; C14.2@597,226.47 597.57,225.9 v1(646,225.9) 683.71,225.9 C15.2@685.65,227.85
  Bottom Layer w15: v1(113.82,114) 205.7,114 ; v1(200,257.81) 200,119.7 205.7,114 ; v1(257,22.54) 257,61.34 251,67.34 v1(251,68.7) 205.7,114 ; v1(2655,15) 2655,5 TP41.1@2675,-15
  Bottom Layer w20: v1(251,68.7) 475.7,68.7 v1(595,188) ; TP38.1@503,218 505.95,220.95 516.87,220.95 520.44,224.52 v1(549,224.52) ; TP40.1@1073,765 1085,765 v1(1107,787)
  other v1: 1764,-116 1838,-116 1912,-116 1986,-116 2060,-116 2134,-116 2208,-116 2282,-116 2356,-116 2430,-116 2504,-116 2578,-116 2652,-116 2726,-116 2800,-116 2874,-116 448.61,-115 516.57,-115 584.52,-115 652.47,-115 720.42,-115 788.38,-115 856.33,-115 924.28,-115 1060.19,-115 1128.14,-115 1196.09,-115 1254,-115 1315.81,-115 2945,-115 3021,-114 3089,-107 3138,-71 2609.79,-69 2572,-30.27 3165,-13 2571.35,9 448.61,12.66 2784,46 3155,50.21 1071,71.87 2679,82 446,95 1045,102 1090,104 3130.32,105 2755.05,128 1020,142 1064,143 1870,146 445,152 3100.56,156 2921,161 2676,164 1892,173.16 1037,176 1088,178 3070.8,207 1017,208 444,217 1604,224 743,229.28 2879,239 3041.04,258 443,281 3011.28,309 443,344.46 2981.52,360 1861,369.21 2951.76,411 265.76,412 441.72,412 197,413 128.24,414 2922,462 158,465 2893.88,510 186.12,513 2118.75,558 2865,564 215,567 2835,614 245,617 2801,674.46 279,677.46 2770,730 310,733 2736,787 344,790 2703,842.35 377,845.35 409,900.88 2638.28,956 441.72,959 2606,1013 474,1016 2573.84,1070.62 506.16,1073.62 2538.94,1128 541.06,1131 2501.33,1194.95 578.67,1197.95 2463,1265 617,1268 2423.38,1331 656.62,1334 2387.31,1392 692.69,1395 2354,1450 2223,1451 2160.38,1452 2285,1452 726,1453 793,1453 862,1453 924,1453 993,1453 1057,1453 1982,1453 2037,1453 2093.82,1453
  other v2: 1040,252.65 1040,284.15 1347.83,916.63 1465.94,916.63 1584.06,916.63 1491.54,941.24 1322.24,942.22 1373.43,942.22 1440.35,942.22 1558.46,942.22 1609.65,942.22 1347.83,967.81 1465.94,967.81 1584.06,967.81 1347.83,1034.74 1465.94,1034.74 1584.06,1034.74 1491.54,1059.35 1322.24,1060.33 1373.43,1060.33 1440.35,1060.33 1558.46,1060.33 1609.65,1060.33 1347.83,1085.92 1465.94,1085.92 1584.06,1085.92 1347.83,1152.85 1465.94,1152.85 1584.06,1152.85 1322.24,1178.44 1373.43,1178.44 1440.35,1178.44 1491.54,1178.44 1558.46,1178.44 1609.65,1178.44 1347.83,1204.03 1465.94,1204.03 1584.06,1204.03
"LED Str CLK": R10.2 TP14.1 U1.53 | length 188.4
  Top Layer w8: R10.2@1035.69,850.79 1043.5,858.6 1050.72,858.6 v1(1111.5,919.39) U1.53@1150.04,919.39
  Bottom Layer w8: TP14.1@1073,902.18 1073.99,902.18 1091.19,919.39 v1(1111.5,919.39)
"LED Str DATA": R9.2 TP13.1 U1.52 | length 183.4
  Top Layer w8: R9.2@1035.62,901.79 1043.43,909.6 1048.6,909.6 v1(1108.39,969.39) U1.52@1150.04,969.39
  Bottom Layer w8: TP13.1@1070.88,961 1078.31,961 1086.69,969.39 v1(1108.39,969.39)
LP_RESET_OUT: D4.2 R21.2 R72.2 | length 145.1
  Top Layer w10: D4.2@2045,1311.41 2046.41,1310 2075,1310 2086.38,1321.38 R21.2@2108,1321.38 2108,1317.44 2114.81,1310.63 2114.81,1308.52 2133.33,1290 2133.48,1290 2154.62,1268.86 R72.2@2154.62,1264
NetC4_1: C4.1 L4.1 TP19.1 U2.4 | length 263.6
  Top Layer w15: U2.4@1572.4,509.41 1574.37,509.41 1574.74,509.04 1574.74,507.07 1595.51,486.3 v1(1611,486.3) C4.1@1665.64,486.3 1738.81,486.3 1751,474.11 L4.1@1751,471
  Bottom Layer w15: v1(1611,486.3) 1676.68,486.3 TP19.1@1676.98,486
NetC16_1: C16.1 R58.1 U5.5 | length 140
  Top Layer w10: C16.1@113.82,29.34 120.63,22.53 U5.5@169.3,22.53
  Top Layer w20: C16.1@113.82,33.26 113.82,29.34 113.82,-43.19 115.63,-45 R58.1@118.38,-45
NetC18_1: C18.1 L5.1 TP58.1 U2.6 | length 293.2
  Top Layer w15: U2.6@1572.4,560.59 1594.91,560.59 v1(1607,548.5) 1679.65,548.5 C18.1@1683,551.85 ; C18.1@1657.26,560.59 C18.1@1666,551.85 C18.1@1683,551.85 ; L5.1@1750,565 1750,564.04 1737.81,551.85 C18.1@1683,551.85
  Bottom Layer w15: v1(1607,548.5) 1662.1,548.5 1671.45,557.85 TP58.1@1676.98,557.85
NetD1_1: D1.1 R37.1 R38.1 | length 264.8
  Top Layer w15: D1.1@2527,818.41 2527,783 2551,759 2638,759 ; R37.1@2635.38,715 2635.38,756.38 2638,759 ; R38.1@2650,817.38 2650,771 2638,759
NetD2_2: D2.2 R50.1 | length 80.2
  Top Layer w20: R50.1@913,2.98 913,3.96 921.7,12.66 929.6,12.66 933.42,16.48 D2.2@987,16.48
NetD3_2: D3.2 R63.2 | length 1523.4
  Top Layer w10: D3.2@1156.1,-72.54 v1@1215,-72.54
  Top Layer w15: D3.2@1156.1,-72.54 1157.56,-74 v1(1215,-74)
  Top Layer w20: v1(481,703) 522.5,703 R63.2@525.5,706
  MidLayer2 w20: v1(481,703) 481,185 684.5,-18.5 962.5,-18.5 1018,-74 v1(1215,-74)
NetD3_4: D3.4 R62.2 | length 1218.6
  Top Layer w15: D3.4@1159.06,-44 v1(1198.59,-44)
  Top Layer w20: R62.2@814,771.5 814,770.52 822.7,761.82 823.69,761.82 891,694.5 v1(891,608)
  Bottom Layer w20: v1(891,608) 825,542 825,77 824.5,76.5 945,-44 v1(1198.59,-44)